# Altium PCB board_ordered.PcbDoc (part 2 of 2) (continued)
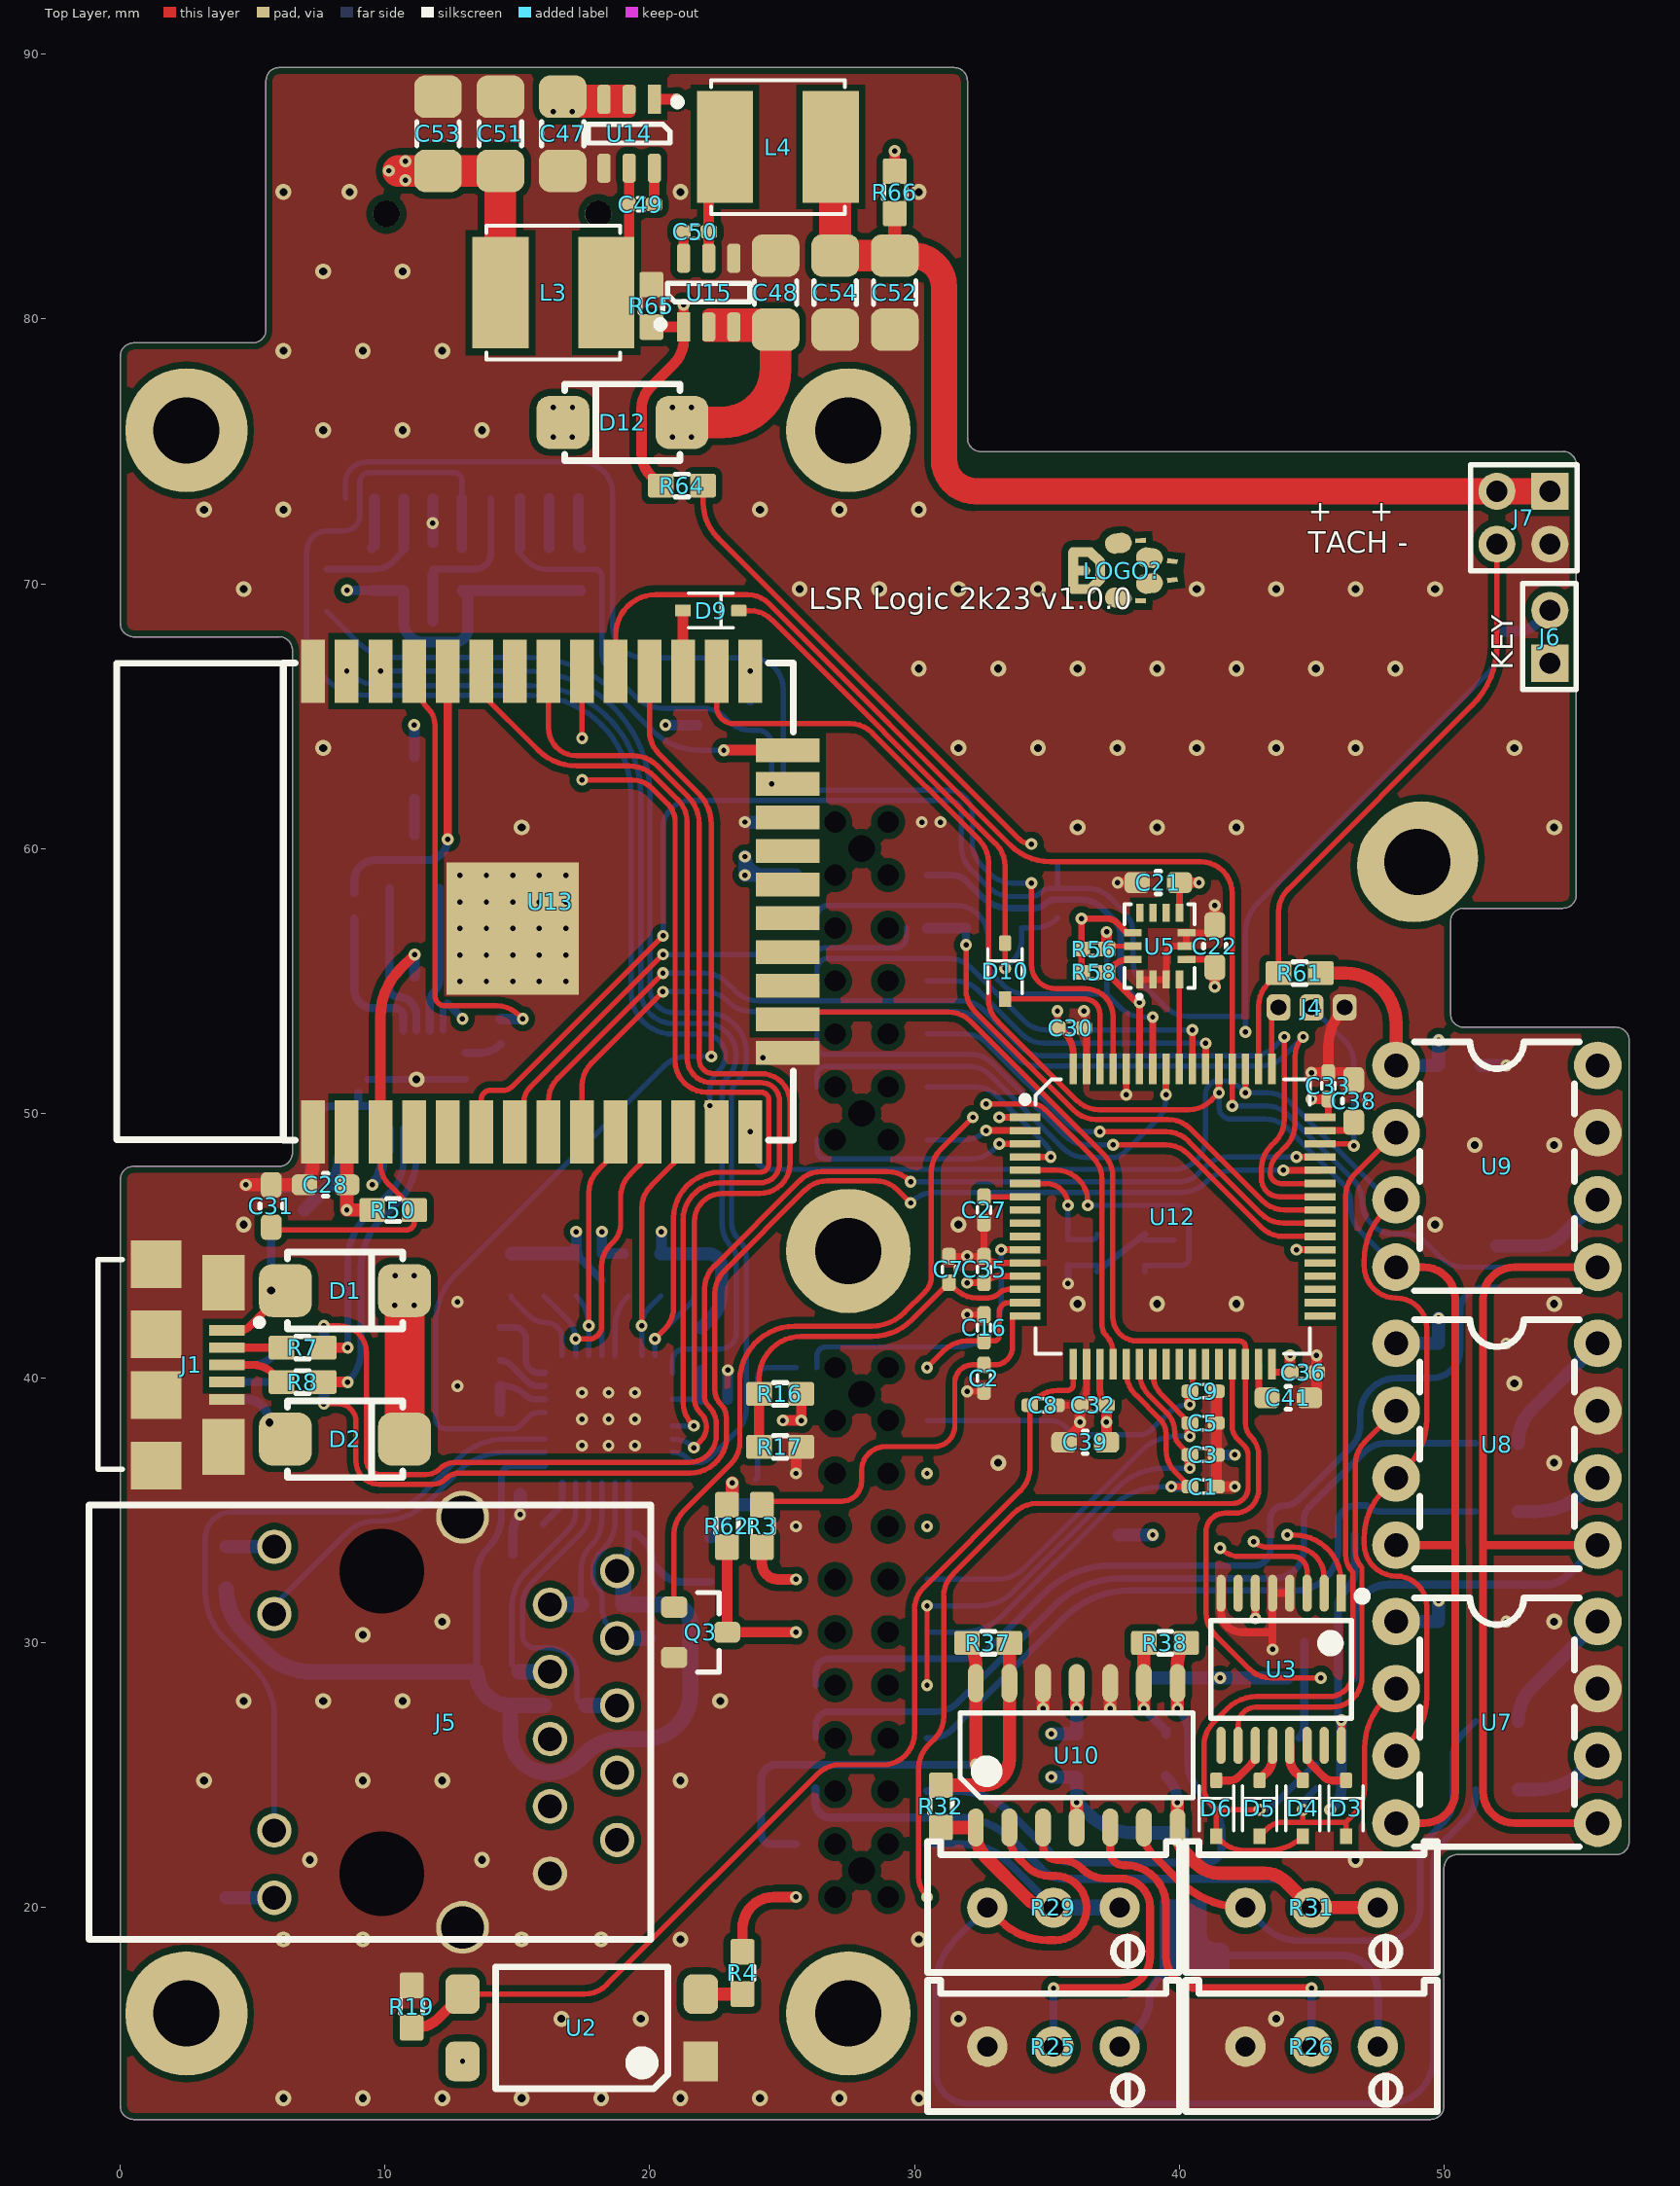
[diagram p0: Top Layer view]
## Nets (pads, with @x,y where several pads share a name; then routed paths per layer and width w, separated by ;. In a path a pad name is that pad's centre, name@x,y a point inside that pad or via, vN(x,y) a via of type N, cw(c..) or ccw(c..) an arc to the next point about the centre after c; other vN are vias at no path point) (continued)
  Top Layer w0.3: U10.6@38.664,23.025 38.664,22.83 ccw(c39.858,22.83) 39.014,21.986 39.939,21.061 ccw(c42.5,23.621) R31.3@42.5,20
  Bottom Layer w0.25: R31.3@42.5,20 43.217,19.283 ccw(c44.488,20.555) 44.488,18.757 47.84,18.757 ccw(c47.84,20.017) 49.1,20.017 49.1,21.839 cw(c50.294,21.839) 49.45,22.683 49.974,23.208 ccw(c49.13,24.052) 50.324,24.052 50.324,25.669 cw(c51.517,25.669) 50.673,26.513 R30.1@51.2,27.04
NetR30_2: R30.2 U7.8 | length 4.9
  Bottom Layer w0.5: R30.2@52.8,27.04 cw(c54.635,27.04) 53.338,28.338 U7.8@55.81,30.81
NetR32_1: R32.1 R37.2 U10.13 | length 7.5
  Top Layer w0.5: R32.1@31,24.625 32.61,24.625 ccw(c32.61,25.6) 33.584,25.6 U10.13@33.584,28.475 R37.2@33.584,30
NetR33_1: R33.1 R38.2 U10.9 | length 3.8
  Top Layer w0.5: v1@38.664,27.524 U10.9@38.664,28.475 R38.2@38.664,30
  Bottom Layer w0.35: v1(38.664,27.521) 39.5,26.685 R33.1@39.5,26.55
NetR34_2: R34.2 U8.8 | length 4.9
  Bottom Layer w0.5: R34.2@52.8,37.54 cw(c54.635,37.54) 53.338,38.838 U8.8@55.81,41.31
NetR35_2: R35.2 U8.6 | length 3.4
  Bottom Layer w0.5: R35.2@52.8,34.96 53.488,34.96 ccw(c53.488,37.5) 55.284,35.704 U8.6@55.81,36.23
NetR36_2: R36.2 U9.6 | length 4.5
  Bottom Layer w0.5: R36.2@52,44.996 53.582,44.996 ccw(c53.582,46.19) 54.425,45.345 ; 54.426,45.346 U9.6@55.81,46.73
NetR39_1: R39.1 U11.9 | length 3.3
  Bottom Layer w0.2: R39.1@14.77,43.104 14.77,43.026 15.435,42.361 ccw(c16.091,43.017) 16.091,42.089 cw(c16.091,41.487) 16.693,41.487 U11.9@16.693,40.858
NetR40_2: R40.2 U11.8 | length 3
  Bottom Layer w0.25: R40.2@14.338,41.91 14.903,41.91 cw(c14.903,41.496) 15.316,41.496 15.316,40.691 ccw(c15.807,40.691) 15.807,40.2 U11.8@16.035,40.2
NetR42_2: R42.2 U11.7 | length 2
  Bottom Layer w0.25: R42.2@14.338,40.665 cw(c14.338,40.083) 14.75,40.495 15.392,39.853 ccw(c15.761,40.221) 15.761,39.7 U11.7@16.035,39.7
NetR44_2: R44.2 U11.13 | length 2.4
  Bottom Layer w0.2: U11.13@18.692,40.858 18.692,41.925 cw(c20.357,41.925) R44.2@19.18,43.102
NetR48_2: R48.2 U13.35 | length 17
  Top Layer w0.2: U13.35@11.095,66.7 11.095,66.578 ccw(c12.933,66.578) 11.633,65.278 cw(c11.02,64.665) 11.887,64.665 11.887,54.443 ccw(c12.271,54.443) 12.271,54.059 14.215,54.059 cw(c14.215,52.866) 15.059,53.71 v1(15.203,53.566)
  Bottom Layer w0.4: R48.2@14.376,53.566 v1(15.203,53.566)
NetR49_2: R49.2 U13.34 | length 11.2
  Top Layer w0.3: v1(12.365,60.35) U13.34@12.365,66.7
  Bottom Layer w0.3: R49.2@8.837,58.317 8.837,58.773 cw(c9.627,58.773) 9.627,59.563 11.578,59.563 ccw(c11.578,60.35) v1(12.365,60.35)
NetR51_1: R51.1 U11.32 | length 1.8
  Bottom Layer w0.25: R51.1@15.966,34.466 16.5,35 ccw(c16.035,35.465) 16.693,35.465 U11.32@16.693,36.043
NetR64_2: R64.2 R65.1 R66.1 U15.1 | length 19.8
  Top Layer w0.4: R64.2@20.034,74.092 cw(c20.879,74.935) 19.685,74.935 19.685,76.595 cw(c20.879,76.595) 20.034,77.438 ; R64.2@20.035,74.091 R64.2@20.415,73.711 ; 20.035,77.439 20.928,78.332 ; R65.1@20.06,79.7 U15.1@21.278,79.7 ; 20.929,78.333 ccw(c20.084,79.176) 21.278,79.176 U15.1@21.278,79.7 ; v1(21.278,80.538) U15.1@21.278,79.7 ; R66.1@29.254,85.585 v1(29.254,86.347)
  Mid Layer 2 w0.4: v1(21.278,80.538) ccw(c21.278,85.77) 24.977,82.071 v1(29.254,86.347)
NetU1_12: U1.12 U3.3 | length 4.5
  Top Layer w0.2: v1(41.54,33.577) ccw(c42.305,34.342) 42.305,33.26 44.294,33.26 cw(c44.294,32.729) 44.825,32.729 U3.3@44.825,31.875
NetU1_13: U1.13 U3.2 | length 4
  Top Layer w0.2: v1(42.81,33.827) ccw(c43.326,34.343) 43.326,33.613 44.342,33.613 cw(c44.342,32.48) 45.475,32.48 U3.2@45.475,31.875
NetU1_14: U1.14 U3.1 | length 3.5
  Top Layer w0.2: v1(44.08,34.077) 44.325,34.077 cw(c44.325,32.278) 46.125,32.278 U3.1@46.125,31.875
NetU3_10: U3.10 U8.2 | length 17.2
  Top Layer w0.2: U3.10@42.225,26.125 42.225,26.896 cw(c42.9,26.896) 42.9,27.571 45.763,27.571 ccw(c45.763,28.708) 46.9,28.708 46.9,32.848 cw(c47.504,33.453) 46.65,33.453 46.65,36.735 cw(c47.843,36.735) 46.999,37.579 U8.2@48.19,38.77
PHY_CLK: U11.5 U13.28 | length 38.6
  Top Layer w0.2: U13.28@19.985,66.7 19.985,64.467 ccw(c21.258,64.467) 20.358,63.567 21.832,62.093 cw(c20.641,60.902) 22.325,60.902 v1(22.325,52.146)
  Bottom Layer w0.2: U11.5@16.035,38.7 15.796,38.7 ccw(c15.796,38.226) 15.461,38.561 15.113,38.214 cw(c14.782,38.545) 14.782,38.077 12.317,38.077 cw(c12.317,38.481) 11.913,38.481 11.913,42.102 cw(c14.453,42.102) 12.657,43.899 20.555,51.797 cw(c21.399,50.952) 21.399,52.146 v1(22.325,52.146)
RXD0: R43.1 U11.11 U13.10 | length 10.1
  Top Layer w0.2: v1(17.692,41.981) 17.692,46.998 cw(c18.886,46.998) 18.041,47.841 ; 18.042,47.842 18.715,48.515 U13.10@18.715,49.3
  Bottom Layer w0.2: R43.1@17.221,43.104 17.232,43.093 cw(c16.119,41.981) v1(17.692,41.981) U11.11@17.692,40.858
RXD1: R41.1 U11.10 U13.11 | length 11.6
  Top Layer w0.2: v1(17.193,41.481) 17.711,41.481 ccw(c17.711,41.943) 18.174,41.943 18.174,44.202 cw(c19.368,44.202) 18.524,45.047 18.612,45.135 ccw(c17.918,45.83) 18.9,45.83 18.9,46.847 cw(c20.094,46.847) 19.25,47.691 19.603,48.045 ccw(c19.136,48.512) 19.797,48.512 U13.11@19.797,49.112
  Bottom Layer w0.2: R41.1@15.996,43.104 16.891,42.208 cw(c16.164,41.481) v1(17.193,41.481) U11.10@17.193,40.858
S_LD_0: J8.15 R35.1 | length 25.1
  Bottom Layer w0.25: J8.15@30.475,26.4 30.605,26.4 ccw(c30.605,27.594) 31.449,26.75 35.64,30.941 cw(c38.144,28.438) 38.144,31.979 44.41,31.979 ccw(c44.41,33.568) 45.999,33.568 45.999,34.519 cw(c46.67,34.519) 46.67,35.189 47.082,35.189 ccw(c47.635,35.743) 47.635,34.96 R35.1@51.2,34.96
S_LD_1: J8.16 R34.1 | length 30.6
  Bottom Layer w0.25: J8.16@26.275,26.4 26.275,26.9 cw(c26.775,26.9) 26.775,27.4 30.792,27.4 ccw(c30.792,28.594) 31.636,27.75 35.285,31.399 cw(c37.789,28.895) 37.789,32.436 43.586,32.436 ccw(c43.586,33.554) 44.704,33.554 44.704,34.646 cw(c45.376,34.646) 44.901,35.121 46.97,37.19 cw(c47.814,36.346) 47.248,37.397 cw(c47.814,36.346) 47.814,37.54 R34.1@51.2,37.54
S_LD_2: J8.14 R36.1 | length 34.8
  Bottom Layer w0.25: J8.14@26.275,28.4 26.275,28.9 cw(c26.775,28.9) 26.775,29.4 31.928,29.4 ccw(c31.928,30.594) 31.93,29.4 ccw(c31.928,30.594) 32.772,29.75 34.904,31.881 cw(c37.408,29.377) 37.408,32.918 42.824,32.918 ccw(c42.824,33.528) 43.434,33.528 43.434,34.671 cw(c43.942,34.671) 43.942,35.179 ccw(c43.942,35.976) 44.506,35.412 46.488,37.395 ccw(c45.644,38.239) 46.838,38.239 46.838,38.618 cw(c48.219,38.618) 48.219,40 49.526,40 ccw(c49.526,41.088) 50.614,41.088 50.614,42.57 cw(c51.44,42.57) 51.44,43.396 R36.1@52,43.396
SCL: J9.6 R56.1 U5.13 U12.58 | length 21.7
  Top Layer w0.2: R56.1@37.258,56.278 cw(c37.352,56.184) 37.352,56.317 U5.13@38.246,56.317
  Top Layer w0.25: U12.58@38.999,51.675 v1(38.999,53.635)
  Top Layer w0.4: R56.1@37.258,56.278 v1(37.258,56.851)
  Bottom Layer w0.2: J9.6@26.312,57 26.312,57.425 cw(c26.737,57.425) 26.737,57.85 31.577,57.85 cw(c31.577,56.656) 32.77,56.656 32.77,55.845 ccw(c33.797,55.845) 33.071,55.118 33.332,54.858 ; 33.332,54.857 ccw(c34.176,55.702) 34.176,54.508 37.258,54.508 ; v1(37.258,56.851) 37.258,54.508 ; v1(38.999,53.635) 38.625,53.635 cw(c38.625,54.829) 37.782,53.984 37.258,54.508
SD_DET: J3.9 U12.61 | length 49.1
  Top Layer w0.2: v1(34.417,58.699) 34.417,55.611 ccw(c35.316,55.611) 35.316,54.712 36.449,54.712 cw(c36.449,53.662) 37.499,53.662 U12.61@37.499,51.675
  Bottom Layer w0.2: J3.9@8.501,73.224 8.501,73.801 cw(c9.3,73.801) 9.3,74.6 17.406,74.6 cw(c17.406,73.406) 18.6,73.406 18.6,68.394 ccw(c19.794,68.394) 19.794,67.2 23.851,67.2 cw(c23.851,66.006) 25.044,66.006 25.044,63.043 ccw(c25.883,63.043) 25.883,62.205 31.267,62.205 cw(c31.267,61.29) 32.182,61.29 32.182,60.21 ccw(c33.376,60.21) 32.531,59.367 ; 32.531,59.366 32.848,59.049 ; 32.849,59.048 ccw(c33.692,59.893) 33.692,58.699 v1(34.417,58.699)
SDA: J9.3 R58.1 U5.14 U12.59 | length 16.6
  Top Layer w0.25: U5.14@38.246,55.817 38.116,55.817 ccw(c38.116,54.93) 37.489,55.557 R58.1@37.258,55.326 v1@38.327,54.257 ; v1@38.327,54.257 ccw(c38.5,54.43) v1(38.5,54.185) U12.59@38.5,51.675
  Bottom Layer w0.25: J9.3@30.475,59 31.394,59 cw(c31.394,58.193) 31.965,58.764 32.553,58.175 ccw(c33.574,59.196) 33.574,57.753 34.551,57.753 ccw(c34.551,58.295) 34.934,57.911 cw(c35.318,57.528) 35.318,58.071 36.278,58.071 cw(c36.278,56.877) 37.122,57.722 ; 37.123,57.721 37.554,57.289 cw(c36.991,56.726) 37.788,56.726 37.788,55.392 ccw(c38.981,55.392) 38.136,54.549 ; 38.137,54.548 v1(38.5,54.185)
SDIO_CLK: J3.5 R1.1 U13.13 | length 44.1
  Bottom Layer w0.2: J3.5@12.901,73.224 12.9,73.902 ccw(c12.602,73.902) 12.602,74.2 9.4,74.2 ccw(c9.4,73.849) 9.049,73.849 9.049,72.595 cw(c8.454,72.595) 8.454,72 7.825,72 ccw(c7.825,71.218) 7.043,71.218 7.043,68.072 ccw(c9.326,68.072) 9.326,65.789 15.491,65.789 cw(c15.491,61.985) 19.295,61.985 19.295,54.566 ccw(c20.866,54.566) 20.866,52.995 22.029,52.995 cw(c22.029,52.166) 22.857,52.166 cw(c22.127,52.166) 22.643,51.65 22.555,51.562 ccw(c23.242,50.876) 22.271,50.876 v1(22.271,50.291)
  Bottom Layer w0.4: R1.1@12.901,71.354 12.901,72.517 ccw(c10.361,72.517) 12.901,72.521 J3.5@12.901,73.224
SDIO_CMD: J3.3 R5.1 U13.23 | length 17.9
  Bottom Layer w0.2: R5.1@15.001,71.354 ccw(c15.28,71.354) R5.1@15.082,71.157 ; R5.1@15.082,71.157 15.417,70.822 ccw(c16.064,71.469) 16.064,70.554 17.914,70.554 cw(c17.914,70.282) 18.186,70.282 18.186,67.436 ccw(c19.226,67.436) 18.491,66.701 19.432,65.76 ccw(c20.544,66.871) 20.544,65.299 22.029,65.299 cw(c22.029,64.203) 22.804,64.978 22.958,64.824 ccw(c23.825,65.692) 23.825,64.465 24.072,64.465 cw(c24.072,63.932) 24.605,63.932 v1(24.605,62.445)
  Bottom Layer w0.4: R5.1@15.101,71.354 J3.3@15.101,73.224
SDIO_D0: D7.2 R20.2 U13.24 | length 20.2
  Top Layer w0.4: v1(22.795,63.715) U13.24@25.215,63.715
  Bottom Layer w0.2: R20.2@7.8,68.954 8.919,67.835 ccw(c10.414,69.33) 10.414,67.215 15.427,67.215 cw(c15.427,62.595) 18.694,65.862 20.098,64.459 ccw(c21.894,66.255) 21.894,63.715 v1(22.795,63.715)
  Bottom Layer w0.4: v1(22.795,63.715) D7.2@23.795,63.715
SNS_+24: C7.2 R16.2 R17.1 U12.14 | length 14.6
  Top Layer w0.2: R16.2@24.125,39.4 24.125,39.975 cw(c25.728,39.975) 25.728,41.578 28.395,41.578 ccw(c28.395,43.711) 29.903,42.203 C7.2@31.3,43.6 31.522,43.378 ccw(c32.366,44.222) 32.366,43.028 32.775,43.028 ccw(c32.775,43.6) 33.179,43.196 cw(c33.551,42.824) 33.551,43.35 U12.14@34.174,43.35
  Top Layer w0.4: R17.1@24.125,37.4 R16.2@24.125,39.4
SNS_-24: C8.2 R19.1 U2.3 U12.17 | length 40.4
  Top Layer w0.2: U2.3@12.928,16.732 17.529,16.732 ccw(c17.529,17.926) 18.372,17.081 ; 18.373,17.082 26.337,25.046 ; 26.338,25.047 cw(c27.181,24.202) 27.181,25.395 28.804,25.395 ccw(c28.804,26.589) 29.997,26.589 29.997,31.248 cw(c31.191,31.248) 30.346,32.091 ; 30.347,32.092 34.004,35.749 ; 34.005,35.75 ccw(c33.16,36.593) 34.354,36.593 C8.2@34.354,38.974 34.566,39.186 cw(c35.41,38.342) 35.41,39.536 35.771,39.536 ccw(c35.771,39.765) 36,39.765 U12.17@35.999,40.525
  Top Layer w0.4: R19.1@11,15.462 11.164,15.462 ccw(c11.164,16.656) 12.008,15.812 U2.3@12.928,16.732
SNS_I_+24: C2.2 R3.2 U12.16 | length 15.4
  Top Layer w0.2: R3.2@24.232,35.215 cw(c24.365,35.215) 24.365,35.348 27.248,35.348 ccw(c27.248,36.1) 28,36.1 28,36.505 cw(c28.906,36.505) 28.906,37.411 30.744,37.411 ccw(c30.744,38.188) 31.521,38.188 31.521,39.831 cw(c32.191,39.831) 32.191,40.5 C2.2@32.624,40.5 33.026,40.5 ccw(c33.026,41.174) 33.7,41.174 33.7,42.35 U12.16@34.174,42.35
SNS_I_+24_0: J8.10 R3.1 | length 2.2
  Top Layer w0.4: R3.1@24.232,33.615 24.232,33.008 ccw(c24.839,33.008) 24.839,32.4 v1(25.525,32.4)
SNS_KEY: D11.1 J6.2 R63.2 U12.38 U13.6 | length 75.1
  Top Layer w0.2: U13.6@13.635,49.3 13.635,50.528 cw(c13.974,50.528) 13.974,50.867 14.423,50.867 ccw(c14.423,51.448) 14.833,51.037 v1(20.5,56.704)
  Top Layer w0.25: v1(44.428,44.85) U12.38@45.324,44.85
  Mid Layer 2 w0.2: v1(42.5,53.07) 43.205,52.365 43.205,46.073 v1(44.428,44.85)
  Bottom Layer w0.2: v1(20.5,56.704) 20.5,60.773 cw(c21.551,60.773) 21.551,61.824 31.318,61.824 cw(c31.318,61.366) 31.775,61.366 31.775,60.057 ccw(c32.969,60.057) 32.124,59.214 ; 32.125,59.213 32.797,58.541 ccw(c33.642,59.387) 33.642,58.191 34.421,58.191 ccw(c34.421,58.666) 34.756,58.33 cw(c35.157,57.93) 35.157,58.496 35.406,58.496 ; D11.1@35.406,59.503 35.406,58.496 ; 37.382,58.147 ccw(c36.539,57.302) 36.539,58.496 35.406,58.496 ; 37.383,58.147 37.909,57.62 ; 37.91,57.619 cw(c37.065,56.776) 38.259,56.776 38.259,55.733 ccw(c39.452,55.733) 38.607,54.89 ; 38.608,54.889 39.478,54.02 ; 39.478,54.019 ccw(c40.322,54.864) 40.322,53.67 42.494,53.67 ; v1(42.5,53.07) 42.5,53.67 42.5,56.822 cw(c44.068,56.822) 42.959,57.931 51.678,66.65 ccw(c50.901,67.427) 52,67.427 R63.2@52,68.2
  Bottom Layer w0.4: R63.2@52,68.2 52.705,68.2 ccw(c52.705,69.394) J6.2@53.549,68.549 ; J6.2@53.55,68.55 J6.2@54,69
SNS_T0: C1.2 J8.11 R2.2 U12.21 | length 18.2
  Top Layer w0.2: U12.21@37.999,40.525 38,40.217 ccw(c39.193,40.217) 38.349,39.372 39.273,38.449 cw(c38.724,37.9) 39.5,37.9 39.5,37.294 ccw(c40.694,37.294) 39.849,36.451 C1.2@40.4,35.9
  Top Layer w0.25: v1(39.7,35.9) C1.2@40.4,35.9
  Bottom Layer w0.2: J8.11@30.475,30.4 31.736,30.4 ccw(c31.736,32.728) 33.382,31.082 37.368,35.068 cw(c39.377,33.059) 39.377,35.9 v1(39.7,35.9)
  Bottom Layer w0.4: v1(39.7,35.9) R2.2@40.4,35.9
SNS_T1: C3.2 J8.13 R12.2 U12.22 | length 20
  Top Layer w0.2: v1(30.475,28.4) v1(30.475,31.4) ; U12.22@38.5,40.525 38.5,40.208 ccw(c39.693,40.208) 38.849,39.364 39.532,38.681 cw(c38.798,37.947) 39.836,37.947 39.836,37.895 ccw(c40.395,37.895) 40,37.5 C3.2@40.4,37.1
  Top Layer w0.4: v1(40.4,36.6) C3.2@40.4,37.1
  Bottom Layer w0.2: v1(30.475,31.4) 32.451,31.4 ccw(c32.451,33.209) 33.73,31.93 37.654,35.854 cw(c39.455,34.052) 39.455,36.6 v1(40.4,36.6)
  Bottom Layer w0.4: v1(40.4,36.6) R12.2@40.4,37.1
SNS_T2: C5.2 J8.9 R18.2 U12.23 | length 15.8
  Top Layer w0.2: U12.23@38.999,40.525 39,40.195 ccw(c40.193,40.195) 39.031,39.925 ccw(c40.193,40.195) 39.349,39.351 C5.2@40.4,38.3
  Top Layer w0.4: v1(40.4,37.8) C5.2@40.4,38.3
  Bottom Layer w0.2: J8.9@30.475,32.4 33.094,32.4 ccw(c33.094,33.895) 34.151,32.838 38.56,37.247 cw(c39.894,35.913) 39.894,37.8 v1(40.4,37.8)
  Bottom Layer w0.4: v1(40.4,37.8) R18.2@40.4,38.3
SNS_T3: C9.2 J8.3 R21.1 U12.26 | length 12.5
  Top Layer w0.2: C9.2@40.5,39.5 U12.26@40.499,40.525
  Top Layer w0.4: v1(40.4,39) C9.2@40.4,39.5
  Bottom Layer w0.2: J8.3@30.475,38.4 35.087,38.4 cw(c35.087,37.475) 35.741,38.129 ; 35.741,38.129 35.809,38.062 ccw(c36.3,38.553) 36.3,37.858 38.487,37.858 ccw(c38.487,38.512) 38.95,38.05 39.55,38.65 cw(c40.394,37.806) 40.394,39 v1(40.4,39)
  Bottom Layer w0.4: v1(40.4,39) R21.1@40.4,39.5
SNS_VIN: C16.2 J8.1 U12.15 | length 5.3
  Top Layer w0.2: v1(30.475,40.4) 31.125,41.05 cw(c31.969,40.206) 31.969,41.4 C16.2@32.624,41.4 33,41.4 ccw(c33,41.6) 33.2,41.6 33.2,42.5 cw(c33.55,42.5) 33.55,42.85 U12.15@34.174,42.85
ST_PWR: C47.2 D1.2 D2.2 D12.2 U14.2 U14.3 | length 54.1
  Top Layer w1.5: D2.2@10.738,37.695 D1.2@10.738,43.305
  Mid Layer 2 w1.2: 10.738,42.832 10.738,47.636 ccw(c7.841,47.636) 9.889,49.684 9.885,49.688 cw(c12.626,52.428) 8.75,52.428 8.75,57.929 cw(c13.533,57.929) 10.151,61.311 15.335,66.495 ccw(c12.002,69.827) 16.715,69.827 16.715,75.54 16.715,76.657 16.715,87.884
  other v1: 10.373,42.746 11.093,42.746 10.382,43.864 11.103,43.864 16.35,75.54 17.071,75.54 16.359,76.657 17.08,76.657 16.35,87.841 17.071,87.841
STM_RX: U12.43 U13.9 | length 39.7
  Top Layer w0.2: U13.9@17.445,49.3 17.445,51.046 cw(c18.639,51.046) 17.795,51.891 v1(20.496,54.592) ; 43.719,48.444 ccw(c44.41,47.754) 43.434,47.754 ccw(c43.838,47.754) 43.838,47.35 U12.43@45.324,47.35 ; 43.72,48.444 44.021,48.745 ccw(c43.177,49.589) 44.371,49.589 44.371,52.139 cw(c45.422,52.139) v1(44.679,52.883)
  Bottom Layer w0.2: v1(20.496,54.592) 22.096,54.592 cw(c22.096,53.398) 22.939,54.243 22.984,54.198 ; 22.985,54.197 ccw(c23.828,55.042) 23.828,53.848 31.608,53.848 cw(c31.608,52.654) 32.451,53.499 ; 32.452,53.498 33.811,52.14 ccw(c34.655,52.984) 34.655,51.79 43.091,51.79 ccw(c43.091,52.984) 43.934,52.139 v1(44.679,52.883)
STM_TX: U12.42 U13.8 | length 40.8
  Top Layer w0.2: U13.8@16.175,49.3 16.175,50.478 cw(c17.369,50.478) 16.525,51.323 v1(20.498,55.296) ; 43.453,48.761 ccw(c44.298,47.918) 43.104,47.918 43.104,47.536 ccw(c43.79,47.536) 43.79,46.85 U12.42@45.324,46.85 ; 43.453,48.762 43.622,48.93 ; 43.623,48.931 ccw(c42.778,49.775) 43.971,49.775 v1(43.971,52.883)
  Bottom Layer w0.2: v1(20.498,55.296) 22.059,55.296 cw(c22.059,54.102) 22.903,54.947 ; 22.904,54.946 23.246,54.604 ; 23.247,54.603 ccw(c24.09,55.448) 24.09,54.254 31.764,54.254 cw(c31.764,53.061) 32.607,53.906 ; 32.608,53.905 33.986,52.527 ; 33.987,52.526 ccw(c34.83,53.371) 34.83,52.177 42.771,52.177 ccw(c42.771,53.371) 43.615,52.526 ; 43.616,52.527 v1(43.971,52.883)
SWCLK: J4.1 U12.49 | length 2.6
  Top Layer w0.2: U12.49@43.499,51.675 43.499,54 J4.1@43.75,54
SWDIO: J4.2 U12.46 | length 7.1
  Top Layer w0.2: U12.46@45.324,48.85 46.411,48.85 cw(c46.411,48.592) v1(46.593,48.774)
  Bottom Layer w0.2: J4.2@45,54 46.244,52.756 cw(c45.4,51.912) 46.593,51.912 v1(46.593,48.774)
TXD0: U11.22 U13.31 | length 39.9
  Top Layer w0.2: U13.31@16.175,66.7 16.175,64.56 ccw(c17.227,64.56) 17.227,63.507 19.374,63.507 cw(c19.374,62.237) 20.272,63.135 21.44,61.967 cw(c20.406,60.932) 21.869,60.932 21.869,52.031 ccw(c22.4,52.031) 22.4,51.5 24.2,51.5 cw(c24.2,50.4) 25.3,50.4 25.3,48.12 cw(c24.155,48.12) 24.155,46.974 22.75,46.974 ccw(c22.75,45.905) 21.681,45.905 21.681,39.245 ccw(c22.467,39.245) 21.91,38.69 ; v1(21.663,37.373) 21.926,37.636 ccw(c21.408,38.155) 22.141,38.155 ccw(c21.408,38.155) 21.926,38.674 21.911,38.689
  Bottom Layer w0.2: U11.22@20.85,37.7 20.872,37.7 cw(c20.872,36.583) v1(21.663,37.373)
TXD1: U11.23 U13.36 | length 42.9
  Bottom Layer w0.2: v1(9.825,66.7) 15.32,66.7 cw(c15.32,62.012) 20.008,62.012 20.008,54.717 ccw(c20.931,54.717) 20.931,53.795 22.162,53.795 cw(c22.162,52.314) 23.644,52.314 23.644,52.036 cw(c22.45,52.036) 23.294,51.192 23.264,51.162 ccw(c23.687,50.739) 23.089,50.739 23.089,45.876 ccw(c23.956,45.876) 23.343,45.263 cw(c22.616,44.536) 23.644,44.536 23.644,38.845 cw(c22.45,38.845) 23.294,38.001 22.305,37.012 cw(c21.805,37.513) 21.805,36.805 cw(c21.805,37.31) 21.448,36.952 ; U11.23@20.85,37.2 cw(c20.85,36.355) 21.447,36.953
TXEN: U11.21 U13.33 | length 39.9
  Top Layer w0.2: U13.33@13.635,66.7 13.635,65.867 15.772,63.73 ccw(c17.245,65.204) 17.245,63.12 19.222,63.12 cw(c19.222,61.774) 20.174,62.726 21.051,61.849 21.063,61.837 cw(c20.219,60.993) 21.412,60.993 21.412,52.077 ccw(c22.328,52.077) 22.328,51.162 24.2,51.162 cw(c24.2,50.462) 24.9,50.462 24.9,48.112 cw(c24.163,48.112) 24.163,47.374 22.667,47.374 ccw(c22.667,45.961) 21.254,45.961 21.254,39.103 ccw(c22.447,39.103) 21.603,38.259 v1(21.663,38.2)
  Bottom Layer w0.2: U11.21@20.85,38.2 v1@21.626,38.2
VDD_PHY: C34.2 C42.2 C45.2 C46.2 J5.1 L2.1 R53.1 R54.1 R55.1 R57.1 R59.1 U11.1 U11.27 | length 48.6
  Bottom Layer w0.25: R55.1@13.46,28.905 13.46,32.538 cw(c14.962,32.538) 13.9,33.6 ccw(c12.693,34.807) 14.4,34.807 ; 14.4,34.607 14.4,36.3 cw(c14.8,36.3) 14.8,36.7 U11.1@16.035,36.7 ; J5.1@18.77,32.715 ccw(c17.75,33.735) 19.192,33.735 C34.2@19.192,34.1 ; U11.27@19.192,36.043 C34.2@19.192,34.1 ; C46.2@20.129,33 ccw(c18.923,33) 19.776,33.853 C34.2@19.529,34.1 C34.2@19.192,34.1
  Bottom Layer w0.3: C46.2@20.129,33 ccw(c20.199,33) 20.15,32.95 20.5,32.6 ccw(c21.224,33.324) 21.224,32.3 L2.1@22.3,32.3
  Bottom Layer w0.6: R59.1@4,32.029 ccw(c6.243,32.029) 4.657,30.443 5.451,29.649 ccw(c7.247,31.445) 7.247,28.905 R55.1@13.46,28.905 ccw(c14.73,28.905) 14.73,27.635 ; R57.1@16,27.635 14.73,27.635 ; J5.1@18.77,32.715 19,32.485 R53.1@19,31.445 20.786,31.445 cw(c20.786,30.691) 21.54,30.691 R54.1@21.54,30.175 21.54,28.105 cw(c19.8,28.105) 19.8,26.365 18.9,26.365 ccw(c18.9,24.469) 17.56,25.81 17.325,25.575 cw(c16.166,26.734) 16.166,25.095 cw(c16.166,26.531) 14.73,26.531 14.73,27.635
Vfan: C52.2 C54.2 J7.1 J7.3 L4.2 R66.2 | length 40.6
  Top Layer w0.5: C52.2@29.254,82.4 R66.2@29.254,83.985
  Top Layer w1: C52.2@29.254,82.4 29.921,82.4 cw(c29.921,81.206) 31.115,81.206 31.115,74.694 ccw(c32.309,74.694) 32.309,73.5 J7.3@52,73.5 J7.1@54,73.5
  Top Layer w1.2: L4.2@26.841,86.5 cw(c26.45,86.109) 27.003,86.109 C54.2@27.003,82.4 C52.2@29.254,82.4
X+: J8.20 R37.1 U10.14 | length 16.7
  Top Layer w0.5: R37.1@31.984,30 cw(c31.187,29.203) 32.314,29.203 U10.14@32.314,28.475 v1(32.314,25.4)
  Bottom Layer w0.3: J8.20@25.525,22.4 24.587,22.4 cw(c24.587,22.781) 24.206,22.781 24.206,24.816 cw(c24.79,24.816) 24.79,25.4 v1(32.314,25.4)
X-: J8.19 R29.1 R29.2 R32.2 U10.1 | length 14
  Top Layer w0.5: R32.2@31,23.025 U10.1@32.314,23.025 32.314,22.78 ccw(c33.508,22.78) 32.664,21.936 34.25,20.35 ccw(c35.094,21.194) 35.094,20 R29.2@35.25,20
  Bottom Layer w0.3: J8.19@30.475,22.4 31.798,22.4 cw(c31.798,19.86) 33.594,21.656 R29.2@35.25,20
  Bottom Layer w0.6: R29.2@35.25,20 R29.1@37.75,20
Y+: J8.17 R38.1 U10.8 | length 20.7
  Top Layer w0.5: v1(39.934,27.521) U10.8@39.934,28.475 39.934,29.203 cw(c41.061,29.203) R38.1@40.264,30
  Bottom Layer w0.3: J8.17@30.475,24.4 31.571,24.4 cw(c31.571,21.428) 33.672,23.53 35.152,22.05 ; 35.153,22.049 ccw(c35.996,22.894) 35.996,21.7 41.036,21.7 ccw(c41.036,22.264) 41.6,22.264 41.6,22.8 ccw(c39.814,22.8) 41.077,24.063 40.825,24.315 cw(c41.977,25.467) 40.348,25.467 40.348,26.522 ccw(c38.935,26.522) 39.936,27.519 ccw(c38.935,26.522) v1(39.934,27.521)
Y-: J8.18 R31.1 R31.2 R33.2 U10.7 | length 31.9
  Top Layer w0.5: v1(39.934,23.979) U10.7@39.934,23.025 39.934,22.86 ccw(c41.128,22.86) 40.284,22.016 40.65,21.65 ccw(c41.494,22.494) 41.494,21.3 43.206,21.3 cw(c43.206,20.106) 44.05,20.95 R31.2@45,20 R31.1@47.5,20
  Bottom Layer w0.3: J8.18@26.257,24.503 26.257,23.952 ccw(c26.809,23.952) 26.809,23.4 31.619,23.4 cw(c31.619,20.408) 33.735,22.524 34.821,21.437 ccw(c35.665,22.282) 35.665,21.088 43.418,21.088 cw(c43.418,19.894) 44.261,20.739 R31.2@45,20
  Bottom Layer w0.4: R33.2@39.5,24.95 39.554,24.896 cw(c38.638,23.979) v1(39.934,23.979)
pads on no net: J1.4 J2.4 J3. J5.6 J5.7 J5.8 J5.9 J8. J8.M4 J9. J9.M4 LOGO?. U1.11 U1.15 U3.7 U3.9 U3.15 U4.2 U4.4 U4.5 U4.6 U4.7 U4.14 U4.15 U4.16 U5.9 U5.10 U5.11 U9.8 U11.4 U11.14 U11.18 U11.20 U11.26 U12.8 U12.9 U12.10 U12.24 U12.25 U12.27 U12.28 U12.33 U12.34 U12.35 U12.36 U12.37 U13.4 U13.5 U13.17 U13.18 U13.19 U13.20 U13.21 U13.22 U13.32

## Polygon pours and split planes (outlines as drawn)
GND on Mid Layer 2 "NONET_L02_P-001" (solid, remove dead copper, pour order 5): 0,89.5 0,12 57,12 57,89.5
GND on Top Layer "NONET_L02_P-001" (solid, remove dead copper, pour order 7): 0,89.5 0,12 57,12 57,89.5
GND on Bottom Layer "NONET_L02_P-001" (solid, remove dead copper, pour order 8): 0,89.5 0,12 57,12 57,89.5
3V3 on Mid Layer 1 "NONET_L02_P-001" (solid, remove dead copper, pour order 6): 0,89.5 0,12 57,12 57,89.5

## Keep-outs
Keep-Out Layer:
  the board outline again, w0.001

## Other copper
Top Layer:
  region net +24V: 25.497,80.073 ccw(c25.182,80.073) 25.182,80.388 22.214,80.388 ccw(c22.214,80.167) 21.992,80.167 21.992,79.252 ccw(c22.094,79.252) 22.094,79.151 25.269,79.151 ccw(c25.269,79.379) 25.497,79.379
  region net ST_PWR: 15.951,87.927 ccw(c16.267,87.927) 16.267,87.612 19.235,87.612 ccw(c19.235,87.833) 19.456,87.833 19.456,88.748 ccw(c19.355,88.748) 19.355,88.849 16.18,88.849 ccw(c16.18,88.621) 15.951,88.621
Mid Layer 1:
  rectangle net GND: 12.328,54.483 17.328,59.483
Bottom Layer:
  region net 2.048V: 41.885,17.678 cw(c41.669,17.691) 41.656,17.475 39.497,17.475 cw(c39.497,17.704) 39.268,17.704 39.268,20.3 41.021,20.3 41.021,19.05 ccw(c41.402,19.05) 41.402,18.669 41.554,18.669 cw(c41.554,18.339) 41.885,18.339
Multi-Layer:
  pour cut-out: 2.5,78.2 cw(c2.5,75.8) 4.9,75.8 cw(c2.5,75.8) 2.5,73.4 cw(c2.5,75.8) 0.1,75.8 cw(c2.5,75.8)
  pour cut-out: 27.5,78.2 cw(c27.5,75.8) 29.9,75.8 cw(c27.5,75.8) 27.5,73.4 cw(c27.5,75.8) 25.1,75.8 cw(c27.5,75.8)
  pour cut-out: 49,61.9 cw(c49,59.5) 51.4,59.5 cw(c49,59.5) 49,57.1 cw(c49,59.5) 46.6,59.5 cw(c49,59.5)
  pour cut-out: 27.5,47.2 cw(c27.5,44.8) 29.9,44.8 cw(c27.5,44.8) 27.5,42.4 cw(c27.5,44.8) 25.1,44.8 cw(c27.5,44.8)
  pour cut-out: 27.5,18.4 cw(c27.5,16) 29.9,16 cw(c27.5,16) 27.5,13.6 cw(c27.5,16) 25.1,16 cw(c27.5,16)
  pour cut-out: 2.5,18.4 cw(c2.5,16) 4.9,16 cw(c2.5,16) 2.5,13.6 cw(c2.5,16) 0.1,16 cw(c2.5,16)

## Silkscreen, mask and mechanical layers (free items; w line width, h text height)
Top Overlay:
  text "+    + / TACH -" at 44.864,71.168 h0.8
  text "LSR Logic 2k23 v1.0.0" at 26,69.047 h0.8
  text "KEY" at 52.6,66.746 h0.8 r90

## Text inside footprints (layer, text, board x,y; h text height)
J1: Mechanical 1 "PCB Edge" at -0.525,44.2 h0.25 r270
J2: Mechanical 1 "PCB Edge" at -0.525,36.8 h0.25 r270